# Altium PCB EnvUnitPCB.PcbDoc (part 3 of 4) (continued)
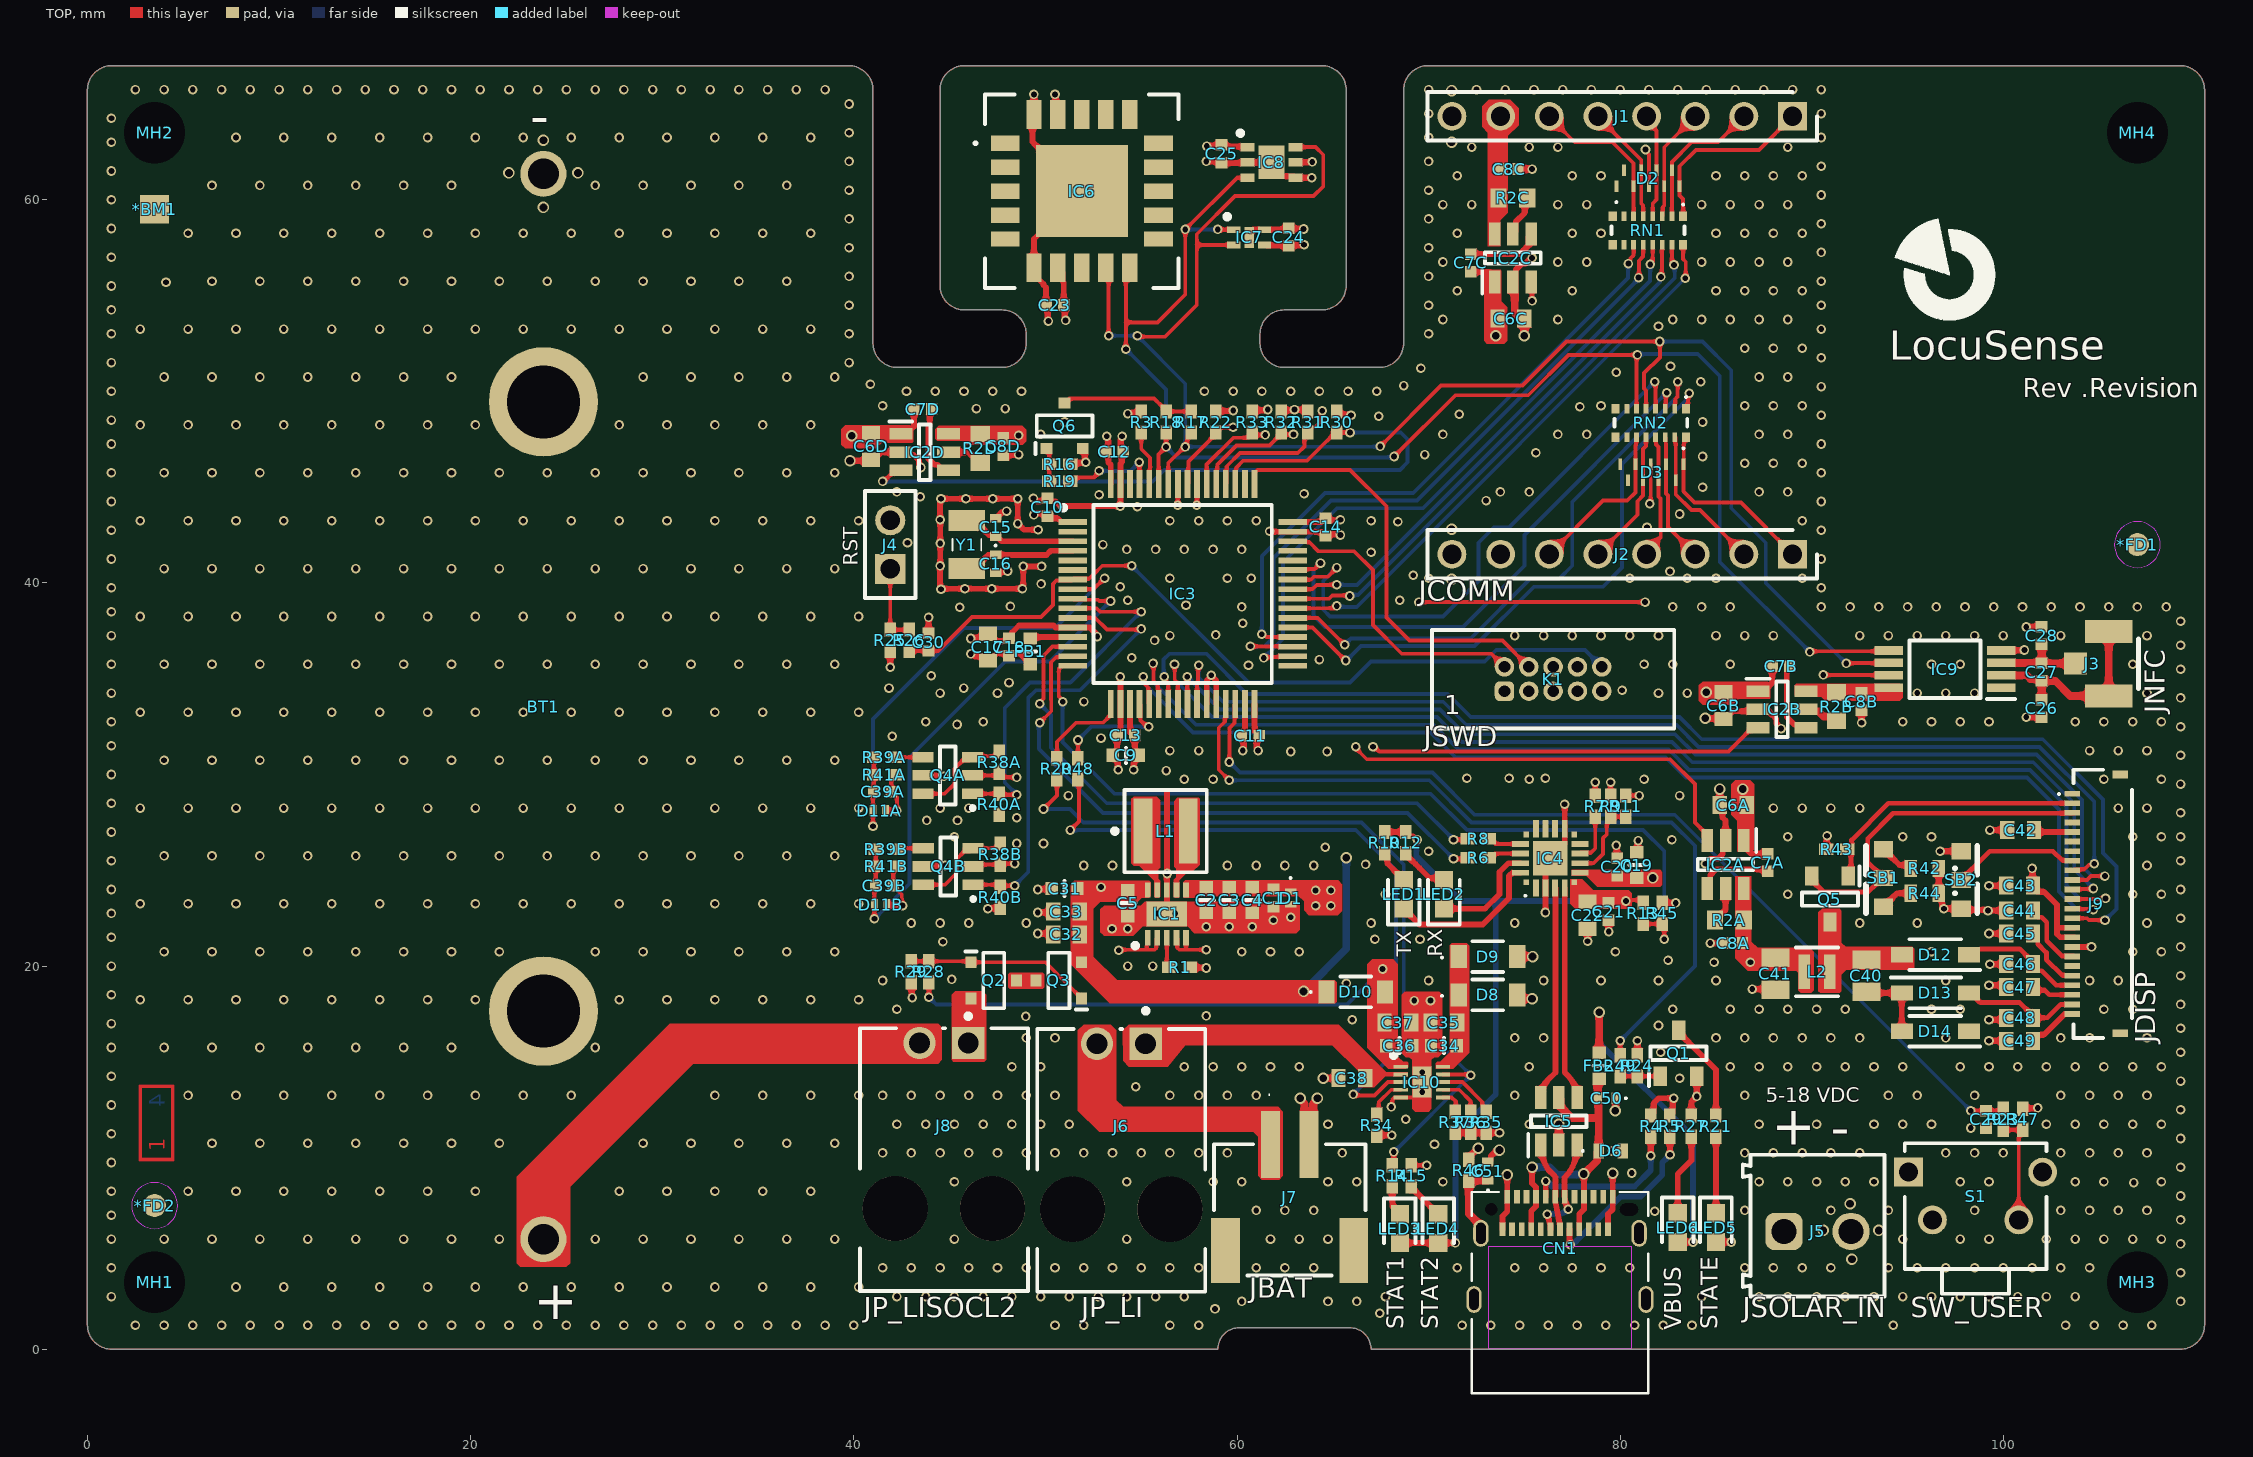
[diagram p0: TOP view]
## Nets (pads, with @x,y where several pads share a name; then routed paths per layer and width w, separated by ;. In a path a pad name is that pad's centre, name@x,y a point inside that pad or via, vN(x,y) a via of type N, cw(c..) or ccw(c..) an arc to the next point about the centre after c; other vN are vias at no path point) (continued)
  other v2: 64.2,13.1 84.434,32.943
GPO: IC3.56 IC9.7 R22.1 | length 46.1
  TOP w0.2: IC3.56@57.415,45.163 57.465,45.213 57.465,46.34 58.9,47.775 58.9,47.925 59.1,48.125 v1(59.797,48.125) ; v1(69.5,39) v1(81.3,39) ; v1(90.6,35.2) 90.612,35.188 93.999,35.188 IC9.7@94.012,35.175
  VCC w0.2: v1(59.797,48.125) 59.822,48.125 60.097,48.4 63.35,48.4 67.787,43.963 67.787,40.713 v1(69.5,39) ; v1(81.3,39) 85.1,35.2 v1(90.6,35.2)
H_CS: D2.4 J1.3 RN1.3 | length 5.9
  TOP w0.2: RN1.3@82.2,59.15 82.225,59.175 82.225,59.625 82.3,59.7 D2.4@82.3,60.7 82.3,62.74 J1.3@83.92,64.36
H_GPIO0: D2.5 J1.1 RN1.1 | length 9.8
  TOP w0.2: RN1.1@83.287,59.033 83.287,60.037 83.1,60.224 D2.5@83.1,60.7 83.1,61.55 83.1,61.75 83.95,62.6 87.24,62.6 J1.1@89,64.36
H_GPIO1: D3.1 J2.1 RN2.16 | length 9.9
  TOP w0.2: RN2.16@83.437,47.6 83.32,47.483 83.32,46.478 83.3,46.459 D3.1@83.3,46.2 83.3,44.781 83.881,44.2 86.3,44.2 J2.1@89,41.5
H_GPIO2: D3.9 J2.2 RN2.15 | length 7.8
  TOP w0.2: RN2.15@82.9,47.6 D3.9@82.9,45.35 82.9,44.616 83.716,43.8 84.16,43.8 J2.2@86.46,41.5
H_MISO: D2.8 J1.5 RN1.5 | length 6.2
  TOP w0.2: J1.5@78.825,64.345 81.1,62.07 D2.8@81.1,61.55 81.1,59.8 81.2,59.7 RN1.5@81.2,59.15
H_MOSI: D2.2 J1.6 RN1.6 | length 8.2
  TOP w0.2: J1.6@76.285,64.345 77.63,63 79.604,63 80.7,61.904 D2.2@80.7,60.7 RN1.6@80.7,59.15
H_RST: D2.6 J1.2 RN1.2 | length 7.6
  TOP w0.2: RN1.2@82.7,59.15 D2.6@82.7,61.55 82.7,61.974 83.726,63 85.1,63 J1.2@86.46,64.36
H_RX: D3.2 J2.3 RN2.14 | length 6.8
  TOP w0.2: RN2.14@82.35,47.6 82.375,47.575 82.375,47.291 82.4,47.266 D3.2@82.4,46.2 82.4,44.664 82.5,44.564 82.5,42.92 J2.3@83.92,41.5
H_SCK: D2.7 J1.4 RN1.4 | length 5.5
  TOP w0.2: J1.4@81.38,64.36 81.38,64.113 81.9,63.593 81.9,62.194 81.9,60.011 81.7,59.811 RN1.4@81.7,59.15
H_SCL: D3.7 J2.5 RN2.12 | length 7.1
  TOP w0.2: J2.5@78.84,41.5 80.9,43.56 80.9,44.263 81.2,44.563 81.2,47 81.35,47.15 RN2.12@81.35,47.6
H_SDA: D3.4 J2.6 RN2.11 | length 8.7
  TOP w0.2: J2.6@76.3,41.5 76.306,41.5 79.106,44.3 80.371,44.3 80.8,44.729 80.8,47.166 80.825,47.191 80.825,47.575 RN2.11@80.85,47.6
H_TX: D3.8 J2.4 RN2.13 | length 6.2
  TOP w0.2: J2.4@81.52,41.8 82.121,42.401 82.121,42.734 82.1,42.754 82.1,44.399 82,44.499 82,47.1 81.875,47.225 81.875,47.575 RN2.13@81.85,47.6
LED: IC3.29 R49.1 | length 42.6
  TOP w0.2: IC3.29@59.415,33.687 59.365,33.637 59.365,32.757 59.05,32.442 59.05,30.25 v1(59.6,29.7) ; R49.1@80,15.35 v1(80,16.1)
  BOT w0.2: v1(59.6,29.7) 70.034,29.7 72.234,27.5 82.684,27.5 83.9,26.284 83.9,20 v1(80,16.1)
LED_RX: IC4.19 LED2.1 | length 5.7
  TOP w0.3: LED2.1@70.8,23 72.949,23 73.7,23.751 73.7,24.906 74.169,25.375 IC4.19@74.803,25.375
LED_TX: IC4.20 LED1.1 | length 8.5
  TOP w0.3: LED1.1@68.475,23.075 68.625,23.075 69.025,22.675 69.525,22.175 72.831,22.175 74.2,23.544 74.2,24.699 74.376,24.875 IC4.20@74.803,24.875
NetC7A_1: C7A.1 IC2A.4 | length 3.9
  TOP w0.3: IC2A.4@84.55,24.05 84.7,24.2 84.7,24.676 84.7,24.745 85.005,25.05 87.59,25.05 C7A.1@87.7,24.94
NetC7B_1: C7B.1 IC2B.4 | length 3.9
  TOP w0.3: C7B.1@88.86,35.65 88.71,35.5 88.71,35.324 88.7,35.314 88.7,33 89.1,32.6 89.55,32.6 IC2B.4@89.7,32.45
NetC7C_1: C7C.1 IC2C.4 | length 3.8
  TOP w0.3: C7C.1@72.2,57.16 74.748,57.16 75.201,57.613 75.201,58.058 IC2C.4@75.351,58.208
NetC7D_1: C7D.1 IC2D.4 | length 4
  TOP w0.3: C7D.1@44.06,49.075 43.962,48.977 43.962,48.232 43.9,48.17 43.9,46.48 44.205,46.175 44.35,46.175 44.65,45.875 IC2D.4@44.95,45.875
NetC40_1: C40.1 D12.2 L2.2 Q5.3 | length 2
  TOP w0.3: C40.1@92.85,20.33 93.12,20.6 D12.2@94.7,20.6
NetC40_2: C40.2 D13.1 D14.2 | length 3.9
  TOP w0.3: C40.2@92.85,18.67 92.92,18.6 D13.1@94.7,18.6 D14.2@94.7,16.6
NetC51_1: C51.1 CN1.SH1 CN1.SH2 CN1.SH3 CN1.SH4 R46.1 | length 20.2
  TOP w0.4: CN1.SH1@72.73,6.05 72.73,6.458 72.1,7.088 R46.1@72.1,8.8 72.112,8.812 73.088,8.812 C51.1@73.1,8.825
  GND w0.4: CN1.SH1@72.73,6.05 72.73,5.642 72.37,5.282 CN1.SH3@72.37,2.6 CN1.SH4@81.35,2.6 81.35,5.316 80.99,5.676 CN1.SH2@80.99,6.05
NetCN1_A5: CN1.A5 R4.2 | length 8.5
  TOP w0.3: CN1.A5@76.11,7.96 76.11,8.772 v1(76.116,8.778) ; v1(81.6,10.1) R4.2@81.6,11.1
  BOT w0.3: v1(76.116,8.778) 76.17,8.778 76.448,8.5 80.751,8.5 81.6,9.349 v1(81.6,10.1)
NetCN1_B5: CN1.B5 R5.2 | length 9.3
  TOP w0.3: CN1.B5@77.36,6.26 77.36,5.544 77.4,5.504 v1(77.4,5.45) ; v1(82.6,10.15) R5.2@82.6,11.1
  BOT w0.3: v1(77.4,5.45) 77.454,5.45 77.554,5.55 77.605,5.55 80.03,7.975 81.075,7.975 82.2,9.1 82.2,9.75 v1(82.6,10.15)
NetIC1_3: IC1.3 R1.2 | length 1.6
  TOP w0.2: IC1.3@56.339,21.472 56.339,20.061 R1.2@56.45,19.95
NetIC1_7: IC1.7 L1.2
NetIC1_9: IC1.9 L1.1
NetIC2A_5: IC2A.5 R2A.1 | length 1.9
  TOP w0.3: R2A.1@84.95,22.4 84.95,22.475 85.225,22.75 85.3,22.75 85.5,22.95 IC2A.5@85.5,24.05
NetIC2B_5: IC2B.5 R2B.1 | length 1.8
  TOP w0.4: IC2B.5@89.7,33.4 89.8,33.3 90.35,33.3 90.625,33.025 91.075,33.025 R2B.1@91.3,32.8
NetIC2C_5: IC2C.5 R2C.1 | length 2.2
  TOP w0.3: IC2C.5@74.401,58.208 74.551,58.358 74.551,58.851 75.026,59.326 75.026,59.976 R2C.1@75.15,60.1
NetIC2D_5: IC2D.5 R2D.1 | length 1.9
  TOP w0.3: IC2D.5@44.95,46.825 46,46.825 46.25,46.575 46.25,46.55 46.525,46.275 R2D.1@46.6,46.275
NetIC3_17: IC3.17 R20.2 | length 4.8
  TOP w0.2: R20.2@50.6,30.85 50.608,30.858 50.608,31.708 51.6,32.7 53,32.7 53.349,33.049 53.365,33.049 53.415,33.099 IC3.17@53.415,33.687
NetIC3_20: IC3.20 R48.2 | length 6.4
  TOP w0.2: R48.2@51.7,30.85 v1(51.7,31.8) ; IC3.20@54.915,33.687 54.965,33.637 54.965,32.825 55.233,32.557 55.33,32.557 v1(55.388,32.499) v1@55.399,32.499
  BOT w0.2: v1(51.7,31.8) 52.399,32.499 v1(55.388,32.499)
NetIC3_60: IC3.60 R3.2 | length 2.9
  TOP w0.2: R3.2@55,47.85 55,47 55.465,46.535 55.465,45.213 IC3.60@55.415,45.163
NetIC3_61: IC3.61 R19.2 | length 5.2
  TOP w0.2: R19.2@51.3,45.3 51.5,45.5 52.533,45.5 52.533,45.502 52.8,45.769 v1(52.8,45.85) ; v1(54.9,46.3) 54.907,46.293 54.907,45.17 IC3.61@54.915,45.163
  BOT w0.2: v1(52.8,45.85) 54.45,45.85 v1(54.9,46.3)
NetIC4_8: IC4.8 R9.2 R11.2 | length 4.3
  TOP w0.2: IC4.8@77.903,25.375 77.911,25.367 78.614,25.367 79.1,25.853 79.1,26.678 79.3,26.878 79.3,27.6 R9.2@79.5,27.8 R11.2@80.3,27.8
NetIC4_9: IC4.9 R7.1 | length 2.6
  TOP w0.2: IC4.9@77.903,25.875 77.953,25.925 78.478,25.925 78.7,26.147 R7.1@78.7,27.8
NetIC4_17: IC4.17 R8.2 | length 1.8
  TOP w0.2: R8.2@73.15,26.65 73.225,26.65 73.5,26.375 IC4.17@74.803,26.375
NetIC4_18: IC4.18 R6.2 | length 1.7
  TOP w0.2: R6.2@73.15,25.65 73.225,25.65 73.45,25.875 IC4.18@74.803,25.875
NetIC10_4: IC10.4 R34.1 | length 2.1
  TOP w0.2: R34.1@67.4,12.2 67.4,12.899 68.051,13.55 IC10.4@68.55,13.55
NetIC10_6: IC10.6 R37.1 | length 1.3
  TOP w0.2: IC10.6@70.75,13.15 71.2,13.15 71.425,12.925 71.425,12.475 R37.1@71.5,12.4
NetIC10_7: IC10.7 R36.2 | length 2.3
  TOP w0.2: IC10.7@70.75,13.55 71.599,13.55 72.191,12.958 72.191,12.509 R36.2@72.3,12.4
NetIC10_8: IC10.8 R35.1 | length 3
  TOP w0.2: IC10.8@70.75,13.95 71.765,13.95 72.8,12.915 72.8,12.675 72.987,12.488 R35.1@73.025,12.488
NetJ4_1: J4.1 R25.2 R26.2 | length 4.2
  TOP w0.2: J4.1@41.9,40.73 R25.2@41.9,37.55 R26.2@42.9,37.55
NetLED1_2: LED1.2 R10.2 | length 1.8
  TOP w0.3: R10.2@67.7,25.9 67.85,25.75 67.85,25.35 LED1.2@68.7,24.5
NetLED2_2: LED2.2 R12.2 | length 2.6
  TOP w0.3: R12.2@68.8,25.9 68.8,25.825 68.95,25.675 68.969,25.675 69.319,25.325 69.525,25.12 ; 69.525,25.119 70.051,24.594 70.706,24.594 LED2.2@70.8,24.5
NetLED3_1: LED3.1 R14.1 | length 1.6
  TOP w0.3: R14.1@68.1,8.5 68.1,7.45 LED3.1@68.5,7.05
NetLED4_1: LED4.1 R15.1 | length 2
  TOP w0.3: R15.1@69.1,8.5 69.1,8.425 69.25,8.275 69.275,8.275 70.175,7.375 70.45,7.1 LED4.1@70.5,7.1
NetLED5_1: LED5.1 R21.1 | length 4.2
  TOP w0.3: LED5.1@85,7.1 85,11.024 85.076,11.1 R21.1@85.076,11.251
NetLED6_1: LED6.1 R27.1 | length 4.3
  TOP w0.3: LED6.1@83,7.05 83,9.15 83.717,9.867 R27.1@83.717,11.1
NetQ1_1: Q1.1 R24.2 R49.2 | length 2.1
  TOP w0.2: R49.2@80,14.25 R24.2@80.9,14.25 Q1.1@82.1,14.25
NetQ1_3: Q1.3 R21.2 | length 5.3
  TOP w0.3: Q1.3@83.05,16.65 83.05,16.5 83.25,16.3 83.295,16.3 85,14.595 R21.2@85,12.2
NetQ2_1: Q2.1 Q3.1 R28.2 R29.2 | length 9.7
  TOP w0.2: R29.2@42.999,20.251 43.918,20.251 R28.2@43.919,20.25 46.067,20.25 Q2.1@46.117,20.2 50.01,20.2 51.888,18.323 Q3.1@51.888,18.3
NetQ2_3: Q2.3 Q3.3
NetQ4A_3: Q4A.3 Q4A.6 R38A.1 | length 5
  TOP w0.2: Q4A.6@43.6,29 44.736,29 45.25,29.514 45.25,30.3 45.675,30.725 46.025,30.725 Q4A.3@46.2,30.9 ; Q4A.3@46.3,30.95 R38A.1@47.5,30.95
NetQ4A_4: Q4A.4 R39A.1 | length 1.4
  TOP w0.2: R39A.1@42.15,30.9 Q4A.4@43.6,30.9
NetQ4B_3: Q4B.3 Q4B.6 R38B.1 | length 5.4
  TOP w0.2: Q4B.6@43.625,24.25 44.75,24.25 45.375,24.875 45.375,25.599 45.751,25.975 46.05,25.975 Q4B.3@46.225,26.15 47.45,26.15 47.65,26.35 R38B.1@47.65,26.4
NetQ4B_4: Q4B.4 R39B.1 | length 1.4
  TOP w0.2: R39B.1@42.25,26.1 42.3,26.15 Q4B.4@43.625,26.15
NetQ6_1: Q6.1 R16.2 R19.1 | length 1.8
  TOP w0.2: Q6.1@50.05,47.012 50.2,46.862 R16.2@50.2,46.2 R19.1@50.2,45.3
NetQ6_3: Q6.3 R17.2 R18.2 | length 7.1
  TOP w0.2: Q6.3@51,49.388 51.022,49.388 51.259,49.625 55.675,49.625 56.075,49.225 56.1,49.225 56.3,49.025 R18.2@56.3,48.95 R17.2@57.6,48.95 R17.2@57.6,49.025
NetR23_2: R23.2 R47.1 S1.3 | length 5.8
  TOP w0.2: R23.2@100,11.45 R47.1@101,11.45 101,11.375 100.8,11.175 S1.3@100.8,6.75
NetR42_2: R42.2 SB1.2 | length 1.9
  TOP w0.3: SB1.2@93.75,26.1 93.825,26.1 94.1,25.825 94.1,25.75 94.576,25.274 95.026,25.274 R42.2@95.175,25.125
NetR44_2: R44.2 SB1.3 | length 1.8
  TOP w0.3: SB1.3@93.75,23.1 93.825,23.1 94.1,23.375 94.1,23.45 94.45,23.8 R44.2@95.175,23.8
NFC_AC0: C26.2 C27.1 IC9.2 J3.1 J3.2 | length 10.4
  TOP w0.4: IC9.2@99.888,35.175 101.225,35.175 101.41,34.99 101.9,34.99 C27.1@102,34.89 ; C26.2@102,33.91 C27.1@102,34.89 ; J3.1@105.5,37.47 J3.2@105.5,34.1 103.5,34.1 102.71,34.89 C27.1@102,34.89
NFC_AC1: C27.2 C28.1 IC9.3 J3.3 | length 4.9
  TOP w0.4: IC9.3@99.888,35.825 99.895,35.818 101.992,35.818 C27.2@102,35.81 ; C28.1@102,36.79 C27.2@102,35.81 ; J3.3@103.77,35.785 103.758,35.798 102.012,35.798 C27.2@102,35.81
OSC32_IN: C15.1 IC3.3 Y1.2 | length 5.6
  TOP w0.3: Y1.2@46.3,43.25 47.05,42.5 47.34,42.5 C15.1@47.4,42.44 ; C15.1@47.4,42.425 47.475,42.425 47.725,42.175 IC3.3@51.427,42.175
OSC32_OUT: C16.1 IC3.4 Y1.1 | length 5.5
  TOP w0.3: Y1.1@46.3,40.75 47.01,41.46 47.56,41.46 50.06,41.46 50.275,41.675 IC3.4@51.427,41.675
P3V3: C21.2 C22.1 IC4.6 LED3.2 LED4.2 R7.2 R10.1 R12.1 R13.2 | length 45.8
  TOP w0.2: R7.2@78.7,28.9 v1(78.7,29.6) ; C21.2@79.4,23.31 79.49,23.4 v1(80.3,23.4) 80.35,23.45 81.05,23.45 R13.2@81.2,23.3
  TOP w0.3: R10.1@67.7,27 R12.1@68.8,27 68.8,26.925 68.95,26.775 69.182,26.775 69.351,26.606 v1(69.405,26.606) ; LED3.2@68.5,5.55 LED4.2@70.5,5.55 v1(71.4,5.55)
  VCC w0.2: v1(78.7,29.6) 80.35,27.95 80.35,23.45 v1(80.3,23.4)
  BOT w0.3: v1(69.405,26.606) 69.367,26.567 69.367,26.045 69.361,26.039 69.361,25.739 71.7,23.4 73.5,23.4 ; v1(71.4,5.55) 71.4,11.2 73.5,13.3 73.5,23.4 ; v1(80.3,23.4) 73.5,23.4
PS1: IC2D.3 IC3.51 R30.2 | length 41
  TOP w0.2: v1(41.5,45.3) 41.575,45.3 42.15,45.875 IC2D.3@42.45,45.875 ; IC3.51@59.915,45.163 59.965,45.213 59.965,46.025 60.315,46.375 63.65,46.375 65.1,47.825 65.1,47.9 R30.2@65.15,47.85 ; R30.2@65.2,47.85 v1(65.9,47.85)
  BOT w0.2: v1(41.5,45.3) 55.6,45.3 56.2,45.9 68.5,45.9 68.9,46.3 68.9,47.5 68.55,47.85 v1(65.9,47.85)
PS2: IC2C.3 IC3.52 R31.2 | length 21.9
  TOP w0.2: IC3.52@59.415,45.163 59.465,45.213 59.465,46.09 60.15,46.775 63.171,46.775 63.518,47.122 63.518,47.756 R31.2@63.531,47.769 ; R31.2@63.7,47.9 63.7,47.925 63.9,48.125 64.075,48.125 64.393,48.443 64.393,48.935 v1(64.45,48.993) ; IC2C.3@75.351,55.708 75.4,55.659 v1(75.4,54.719)
  VCC w0.2: v1(64.45,48.993) 64.757,49.3 68.5,49.3 73.919,54.719 v1(75.4,54.719)
PS3: IC2B.3 IC3.53 R32.2 | length 44.8
  TOP w0.2: IC3.53@58.915,45.163 58.965,45.213 58.965,46.165 59.975,47.175 61.7,47.175 R32.2@62.3,47.775 ; R32.2@62.3,47.85 R32.2@62.3,47.775 ; v1(62.95,47.75) 62.325,47.75 R32.2@62.3,47.775 ; v1(67.1,31.45) 67.181,31.45 67.431,31.2 85.65,31.2 86.7,32.25 86.788,32.338 IC2B.3@87.588,32.338
  VCC w0.2: v1(62.95,47.75) 62.95,35.6 v1(67.1,31.45)
PS4: IC2A.3 IC3.54 R33.2 | length 45
  TOP w0.2: IC3.54@58.415,45.163 58.415,46.181 59.809,47.575 60.6,47.575 60.976,47.951 60.976,47.75 61,47.726 v1(61.474,47.726) ; v1(66.2,31.45) 66.2,31.372 66.772,30.8 82.6,30.8 83.9,29.5 83.9,27.5 84.35,27.05 84.35,26.75 IC2A.3@84.55,26.55
  VCC w0.2: v1(61.474,47.726) 62.5,46.7 62.5,35.15 v1(66.2,31.45)
RESE: J9.3 Q5.2 SB1.1 | length 18.2
  TOP w0.25: Q5.2@90,24.7 90.225,24.475 90.225,24.262 90.612,23.875 92.95,23.875 93.675,24.6 SB1.1@93.75,24.6 92.925,25.425 92.925,26.66 94.24,27.975 103.302,27.975 103.675,27.975 J9.3@103.7,28
RF_CS: IC3.41 RN1.14 | length 27.8
  TOP w0.2: IC3.41@62.903,39.675 63.94,39.675 64.166,39.9 v1(65.2,39.9) ; v1(82.128,55.972) 82.175,56.018 82.175,57.625 RN1.14@82.2,57.65
  BOT w0.2: v1(65.2,39.9) 66.269,39.9 82.071,55.702 82.071,55.914 v1(82.128,55.972)
RF_GPIO0: IC3.39 RN1.16 | length 29.5
  TOP w0.2: IC3.39@62.903,38.675 64.994,38.675 65.119,38.8 v1(65.2,38.8) ; RN1.16@83.287,57.65 83.287,56.9 83.425,56.762 83.425,55.925 v1(83.4,55.9)
  BOT w0.2: v1(65.2,38.8) 65.25,38.75 66.25,38.75 v1(83.4,55.9)
RF_GPIO1: IC3.37 RN2.1 | length 31.3
  TOP w0.2: IC3.37@62.903,37.675 63.94,37.674 65.661,35.953 v1(65.675,35.953) ; RN2.1@83.437,49.1 83.543,49.206 83.543,49.843 v1(83.6,49.9)
  BOT w0.2: v1(65.675,35.953) 65.718,35.953 66.465,36.7 72.4,36.7 75.5,39.8 79.1,39.8 80.1,40.8 80.1,46.2 83.543,49.643 83.543,49.843 v1(83.6,49.9)
RF_GPIO2: IC3.38 RN2.2 | length 30.2
  TOP w0.2: IC3.38@62.903,38.175 64.217,38.175 v1(65.62,36.772) ; RN2.2@82.85,49.1 82.85,49.225 82.875,49.25 82.875,49.599 83,49.724 v1(83,50.5)
  BOT w0.2: v1(65.62,36.772) 65.948,37.1 72.2,37.1 75.3,40.2 76.8,40.2 77.5,40.9 77.5,44.224 83,49.724 v1(83,50.5)
RF_MISO: IC3.35 RN1.12 | length 34.8
  TOP w0.2: v1(60.7,36.7) 60.713,36.687 62.89,36.687 IC3.35@62.903,36.675 ; v1(80.963,55.937) 80.982,55.957 80.982,56.816 81.2,57.034 RN1.12@81.2,57.65
  BOT w0.2: v1(60.7,36.7) 60.73,36.67 61.417,36.67 61.9,37.153 61.9,41.3 64.9,44.3 69.4,44.3 80.963,55.863 v1(80.963,55.937)
RF_MOSI: IC3.36 RN1.11 | length 32.7
  TOP w0.2: v1(61.297,37.328) 61.378,37.328 61.531,37.175 IC3.36@62.903,37.175 ; v1(80.432,56.67) 80.432,56.751 80.547,56.866 80.547,56.947 80.7,57.1 RN1.11@80.7,57.65
  BOT w0.2: v1(61.297,37.328) 61.297,41.397 64.6,44.7 69.2,44.7 80.413,55.913 80.413,56.651 v1(80.432,56.67)
RF_RTS: IC3.40 RN1.15 | length 28.7
  TOP w0.2: IC3.40@62.903,39.175 64.797,39.175 64.972,39.35 65.85,39.35 v1(65.881,39.319) ; RN1.15@82.7,57.65 82.7,56.79 82.809,56.681 v1(82.809,56.6)
  BOT w0.2: v1(65.881,39.319) 65.938,39.377 66.311,39.377 82.85,55.916 82.85,56.559 v1(82.809,56.6)
RF_RX: IC3.43 RN2.3 | length 30
  TOP w0.2: IC3.43@62.903,40.675 62.953,40.725 64.047,40.725 v1(64.359,41.036) ; RN2.3@82.35,49.1 82.375,49.125 82.375,49.877 v1(82.426,49.928)
  BOT w0.2: v1(64.359,41.036) 64,40.678 64,38.3 64.6,37.7 71.8,37.7 75,40.9 75,42.502 v1(82.426,49.928)
RF_SCK: IC3.34 RN1.13 | length 34.1
  TOP w0.2: v1(61.4,36.087) 61.444,36.131 62.859,36.131 IC3.34@62.903,36.175 ; v1(81.572,56.624) 81.572,56.705 81.7,56.834 81.7,57.646 RN1.13@81.704,57.65
  BOT w0.2: v1(61.4,36.087) 62.4,37.087 62.4,41.078 65.222,43.9 69.703,43.9 81.565,55.762 81.565,56.618 v1(81.572,56.624)
RF_TX: IC3.42 RN2.4 | length 30.2
  TOP w0.2: IC3.42@62.903,40.175 63.875,40.175 64.025,40.325 64.748,40.325 65.2,40.777 v1(65.2,40.8) ; v1(81.8,50.5) 81.85,50.45 RN2.4@81.85,49.1
  BOT w0.2: v1(65.2,40.8) 64.5,40.1 64.5,38.6 64.85,38.25 70.75,38.25 72.6,40.1 72.6,42.1 73.4,42.9 74.2,42.9 v1(81.8,50.5)
RST: C30.2 IC3.7 K1.10 R26.1 | length 42.2
  TOP w0.2: R26.1@42.9,36.45 C30.2@43.9,36.45 44.4,36.45 46.175,38.225 49.775,38.225 50.389,38.839 50.389,39.949 50.565,40.125 50.672,40.125 51.377,40.125 51.477,40.225 52.289,40.225 52.505,40.441 52.964,40.9 v1(54.5,40.9)
  BOT w0.2: v1(54.5,40.9) 60.6,34.8 65.9,34.8 67,35.9 72.933,35.9 73.533,36.5 78.16,36.5 K1.10@79.04,35.62
SCL: IC3.58 IC6.9 IC7.2 IC8.6 IC9.6 R17.1 RN2.5 | length 90.7
  TOP w0.2: IC6.9@53,56.3 53.3,56 v1(53.3,52.9) ; v1(54.8,52.9) 54.85,52.85 56.25,52.85 57.9,54.5 57.9,57.641 ; IC3.58@56.415,45.163 56.415,46.265 57.25,47.1 v1(57.3,47.1) 57.3,47.181 57.4,47.281 57.4,47.65 R17.1@57.6,47.85 ; IC7.2@59.837,57.641 57.9,57.641 ; IC8.6@63.05,62.75 64.1,62.75 64.5,62.35 64.5,60.7 64,60.2 59.9,60.2 57.9,58.2 57.9,57.641 ; v1(67.475,47.125) 70.65,50.3 74.9,50.3 77.2,52.6 v1(82.072,52.6) 82.072,51.772 81.25,50.95 81.25,50.15 81.35,50.05 RN2.5@81.35,49.1 ; v1(91.8,35.8) 91.813,35.813 93.999,35.813 IC9.6@94.012,35.825
  BOT w0.2: v1(53.3,52.9) v1(54.8,52.9) 57.3,50.4 v1(57.3,47.1) 57.312,47.112 67.462,47.112 v1(67.475,47.125) ; v1(82.072,52.6) 84.3,52.6 85.8,51.1 85.8,43.9 87.6,42.1 87.6,40 v1(91.8,35.8)
SDA: IC3.59 IC6.10 IC7.1 IC8.3 IC9.5 R18.1 RN2.6 | length 82.7
  TOP w0.2: v1(54.2,52.2) 54.2,53.6 ; IC6.10@54.2,56.95 54.2,53.6 ; IC3.59@55.915,45.163 55.907,45.17 55.907,46.707 v1(56.3,47.1) R18.1@56.3,47.85 ; v1(59,58.45) 59.004,58.446 59.833,58.446 IC7.1@59.837,58.441 ; IC8.3@60.55,61.15 60.542,61.142 59.992,61.142 v1(57.3,58.45) 57.3,55.05 55.85,53.6 54.2,53.6 ; v1(68.2,46.6) 71.4,49.8 75.2,49.8 77.3,51.9 v1(80.9,51.9) 80.85,51.85 RN2.6@80.85,49.1 ; v1(89.9,36.4) 89.938,36.438 93.974,36.438 IC9.5@94.012,36.475
  BOT w0.2: v1(54.2,52.2) 56.3,50.1 v1(56.3,47.1) 56.85,46.55 68.15,46.55 v1(68.2,46.6) ; v1(57.3,58.45) v1(59,58.45) ; v1(80.9,51.9) 80.95,51.95 84.05,51.95 85.2,50.8 85.2,41.1 v1(89.9,36.4)
SOLAR_IN: D8.2 J5.1 | length 19
  TOP w0.4: D8.2@74.625,18.3 v2(75.4,18.3)
  VCC w0.4: v2(75.4,18.3) 76.4,18.3 J5.1@88.55,6.15
STAT1: IC10.9 R14.2 R20.1 | length 42.2
  TOP w0.2: v1(49.9,28.2) 50.6,28.9 R20.1@50.6,29.75 ; R14.2@68.1,9.6 68.181,9.681 v1(68.181,10.3) ; IC10.9@70.75,14.35 72.15,14.35 v1(72.2,14.3)
  BOT w0.2: v1(49.9,28.2) 51.278,28.2 51.978,27.5 66.5,27.5 68.7,25.3 68.7,17.8 v1(72.2,14.3) ; v1(68.181,10.3) 68.2,10.302 v1@72.198,14.3
STAT2: IC10.3 R15.2 R48.1 | length 43.3
  TOP w0.2: v1(51.3,27.1) 51.75,27.55 51.75,29.7 R48.1@51.7,29.75 ; v1(66.069,13.305) 66.127,13.247 67.172,13.247 67.874,13.95 67.885,13.95 IC10.3@68.55,13.95 ; R15.2@69.1,9.6 v1(69.9,9.6)
  VCC w0.2: v1(66.069,13.305) 66.069,11.553 68.022,9.6 v1(69.9,9.6)
  BOT w0.2: v1(51.3,27.1) 66.2,27.1 68.3,25 68.3,15.536 v1(66.069,13.305)
SWDCLK: IC3.49 K1.4 | length 22.6
  TOP w0.2: IC3.49@60.915,45.163 60.915,45.75 61.065,45.9 65.9,45.9 67.8,44 67.8,38.2 69,37 73.85,37 K1.4@75.23,35.62
SWDIO: IC3.46 K1.2 | length 15.5
  TOP w0.2: IC3.46@62.903,42.175 62.948,42.13 63.77,42.13 64.25,41.65 66.117,41.65 67.1,40.667 67.1,37.8 68.6,36.3 73.28,36.3 K1.2@73.96,35.62
USB1_N: CN1.A7 CN1.B7 IC5.3 | length 5.5
  TOP w0.3: v1(76.2,7.05) 76.36,6.46 CN1.B7@76.36,6.26 ; v1(77.287,7.306) 77.11,7.76 CN1.A7@77.11,7.96 cw(c77.139,7.986) 77.1,7.986 77.1,8.954 77.269,9.143 ccw(c75.531,10.523) IC5.3@77.746,10.65
  BOT w0.3: v1(76.2,7.05) 76.67,7.05 ccw(c76.67,7.922) v1(77.287,7.306)
USB1_P: CN1.A6 CN1.B6 IC5.1 | length 4.6
  TOP w0.3: IC5.1@75.85,10.65 75.896,10.2 ccw(c78.092,10.65) 76.198,9.45 ccw(c78.092,10.65) 76.251,9.371 76.541,9.08 76.62,8.974 76.62,7.989 cw(c76.581,7.989) 76.61,7.963 CN1.A6@76.608,7.962 ; CN1.A6@76.61,7.96 76.61,7.76 76.86,6.46 CN1.B6@76.86,6.26
USB2_N: IC4.5 IC5.4 | length 11.1
  TOP w0.3: IC4.5@77.103,24.075 77.103,14.453 77.286,14.271 cw(c76.165,13.15) IC5.4@77.75,13.15
USB2_P: IC4.4 IC5.6 | length 11.2
  TOP w0.3: IC5.6@75.85,13.15 cw(c77.128,13.15) 76.224,14.054 76.62,14.45 IC4.4@76.62,24.058
USB_ON: IC3.16 R13.1 R45.2 | length 44.9
  TOP w0.2: v1(50.9,33.8) 50.9,33.867 50.7,34.067 50.7,35.535 50.839,35.675 IC3.16@51.427,35.675 ; R13.1@81.2,22.2 R45.2@82.2,22.2 82.3,22.1 v1(82.3,21.4)
  BOT w0.2: v1(50.9,33.8) 50.9,31.7 53.6,29 70.1,29 72,27.1 81.2,27.1 82.3,26 v1(82.3,21.4)
VBAT_LI: C38.1 IC10.2 J6.1
VBAT_LI_IN: J6.2 J7.1 Q4A.2 R38A.2 | length 18.5
  TOP w0.2: Q4A.2@46.2,29.95 47.45,29.95 R38A.2@47.6,30.1 47.6,30.05 47.8,29.85 v1(48.5,29.85)
  VCC w0.2: v1(48.5,29.85) 49.15,29.85 50.75,28.25 50.75,17.89 J6.2@52.69,15.95
VBAT_SO: J8.1 Q2.2
VBAT_SO_IN: BT1.MH1 J8.2 Q4B.2 R38B.2 | length 13.6
  TOP w0.2: Q4B.2@46.225,25.2 46.325,25.3 R38B.2@47.65,25.3 47.7,25.35 v1(48.4,25.35)
  VCC w0.2: J8.2@43.66,15.95 47.8,20.09 47.8,24.75 v1(48.4,25.35)
VBUS: C50.2 CN1.A4 CN1.A9 CN1.B4 CN1.B9 D6.1 FB2.1 IC5.5 | length 17.4
  TOP w0.3: CN1.B9@75.36,6.26 75.36,7.215 75.61,7.465 75.61,7.489 CN1.A4@75.61,7.96 75.61,8.435 75.61,8.455 75.4,8.665 v2(75.4,9.5) ; CN1.B4@77.86,6.26 77.86,7.06 78.11,7.31 CN1.A9@78.11,7.96 78.11,9.04 78.1,9.05 v2(78.1,9.15)
  TOP w0.4: IC5.5@76.8,13.15 76.9,13.05 76.9,12.65 77.475,12.075 78.875,12.075 78.875,11.841 D6.1@78.875,10.35 78.8,10.275 78.8,9.85 v2(78.1,9.15) ; 78.867,12.075 78.867,12.816 78.85,12.833 78.85,13.075 C50.2@78.825,13.1 78.825,14.05 FB2.1@78.9,14.125
  BOT w0.4: v2(75.4,9.5) 76.313,9.5 76.701,9.112 78.062,9.112 v2(78.1,9.15)
VCCD: C36.1 C37.1 D10.2 IC10.1 R28.1 | length 25.5
  TOP w0.2: v1(43.919,18.381) R28.1@43.919,19.15
  BOT w0.2: v1@43.824,18.476 44.3,18 65.75,18 v1(67.6,19.85)
VCOM: C49.1 J9.24 | length 2.8
  TOP w0.3: C49.1@101.55,16.1 101.55,16.195 101.775,16.42 102.12,16.42 103.2,17.5 J9.24@103.7,17.5
VDC: C34.1 C35.1 D8.1 D9.1 IC10.10
VDD: C44.1 J9.18 | length 3.8
  TOP w0.25: C44.1@101.55,22.9 101.55,22.805 101.803,22.552 102.003,22.552 102.271,22.284 102.271,21.32 102.875,20.716 ; 102.875,20.715 103.065,20.525 103.675,20.525 J9.18@103.7,20.5
VDDA: FB1.2 IC3.13 | length 2.3
  TOP w0.3: FB1.2@49.2,37.1 49.275,37.175 IC3.13@51.427,37.175
VGH: C46.1 D12.1 J9.21 | length 6.5
  TOP w0.25: D12.1@98.2,20.6 98.475,20.875 98.771,20.875 98.796,20.9 100.845,20.9 101.55,20.195 C46.1@101.55,20.1 101.55,20.005 101.8,19.755 102,19.755 102.755,19 J9.21@103.7,19
VGL: C48.1 D13.2 J9.23 | length 6.4
  TOP w0.25: D13.2@98.2,18.6 98.375,18.6 98.65,18.325 98.65,18.241 98.796,18.095 100.85,18.095 101.55,17.395 C48.1@101.55,17.3 102.3,17.3 103,18 J9.23@103.7,18
VIN: C5.1 C31.1 C32.1 C33.1 D10.1 IC1.1 IC1.2 IC1.10 J2.7 Q3.2 | length 34.4
  TOP w0.2: v1(53.822,20.825) 53.847,20.85 55.207,20.85 ; IC1.1@55.339,21.472 55.289,21.422 55.289,20.932 55.207,20.85 ; IC1.2@55.839,21.472 55.789,21.422 55.789,20.948 55.691,20.85 55.289,20.85 55.207,20.85
  VCC w0.2: v1(52.9,24.125) 52.925,24.1 52.925,21.722 v1(53.822,20.825)
  VCC w0.4: v2(65.701,25.65) 72.51,32.459 72.51,40.41 J2.7@73.9,41.8
  BOT w0.4: v2(63.475,18.675) 65.701,20.901 v2(65.701,25.65)
VSH: C45.1 J9.20 | length 3.4
  TOP w0.25: C45.1@101.55,21.7 101.8,21.45 101.8,21.155 102.25,20.705 102.25,20.34 103.065,19.525 J9.20@103.675,19.525
VSH2: C42.1 J9.5 | length 2.1
  TOP w0.3: C42.1@101.6,27.1 101.7,27 J9.5@103.7,27
VSL: C47.1 J9.22 | length 2.3
  TOP w0.25: C47.1@101.55,18.9 101.704,18.746 102.154,18.746 102.4,18.5 J9.22@103.7,18.5
pads on no net: *FD1. *FD1.0 *FD2. *FD2.0 BT1.1 BT1.2 CN1.0 CN1.A2 CN1.A3 CN1.A8 CN1.A10 CN1.A11 CN1.B2 CN1.B3 CN1.B8 CN1.B10 CN1.B11 D2.1 D2.9 D3.5 D3.6 IC3.2 IC3.5 IC3.6 IC3.33 IC3.44 IC3.45 IC3.50 IC3.62 IC4.1 IC4.2 IC4.10 IC4.11 IC4.13 IC4.14 IC4.15 IC4.16 IC6.1 IC6.2 IC6.3 IC6.4 IC6.5 IC6.8 IC6.11 IC6.12 IC6.13 IC6.14 IC6.15 IC6.16 IC6.17 IC6.18 IC9.1 J6. J7.3 J7.4 J8. J9.1 J9.4 J9.6 J9.7 J9.19 K1.6 K1.7 K1.8 MH1. MH2. MH3. MH4. RN1.7 RN1.8 RN1.9 RN1.10 RN2.7 RN2.8 RN2.9 RN2.10
copper on no net: | length 44.2
  TOP w0.2: 2.75,9.9 4.45,9.9 4.45,13.729 2.75,13.729 2.75,9.9
  GND w0.2: 2.75,9.9 4.45,9.9 4.45,13.729 2.75,13.729 2.75,9.9
  VCC w0.2: 2.75,9.9 2.75,13.729 4.45,13.729 4.45,9.9 2.75,9.9
  BOT w0.2: 2.75,9.9 2.75,13.729 4.45,13.729 4.45,9.9 2.75,9.9

## Polygon pours and split planes (outlines as drawn)
3V3 on VCC "NONET_L01_P-001" (solid, remove dead copper, shelved, pour order 2): 0,1.27 0,65.73 cw(c1.27,65.73) 1.27,67 39.73,67 cw(c39.73,65.73) 41,65.73 41,52.52 ccw(c42.27,52.52) 42.27,51.25 47.73,51.25 ccw(c47.73,52.52) 49,52.52 49,52.98 ccw(c47.73,52.98) 47.73,54.25 45.77,54.25 cw(c45.77,55.52) 44.5,55.52 44.5,65.73 cw(c45.77,65.73) 45.77,67 64.43,67 cw(c64.43,65.73) 65.7,65.73 65.7,55.52 cw(c64.43,55.52) 64.43,54.25 62.47,54.25 ccw(c62.47,52.98) 61.2,52.98 61.2,52.52 ccw(c62.47,52.52) 62.47,51.25 67.43,51.25 ccw(c67.43,52.52) 68.7,52.52 68.7,65.73 cw(c69.97,65.73) 69.97,67 108,67 109.23,67 cw(c109.23,65.73) 110.5,65.73 110.5,1.27 cw(c109.23,1.27) 109.23,0 67,0 ccw(c65.879,0) 65.879,1.121 60.121,1.121 ccw(c60.121,0) 59,0 1.27,0 cw(c1.27,1.27)
GND on TOP "NONET_L01_P-001" (solid, remove dead copper, shelved, pour order 3): 0,1.27 0,65.73 cw(c1.27,65.73) 1.27,67 39.73,67 cw(c39.73,65.73) 41,65.73 41,52.52 ccw(c42.27,52.52) 42.27,51.25 47.73,51.25 ccw(c47.73,52.52) 49,52.52 49,52.98 ccw(c47.73,52.98) 47.73,54.25 45.77,54.25 cw(c45.77,55.52) 44.5,55.52 44.5,65.73 cw(c45.77,65.73) 45.77,67 64.43,67 cw(c64.43,65.73) 65.7,65.73 65.7,55.52 cw(c64.43,55.52) 64.43,54.25 62.47,54.25 ccw(c62.47,52.98) 61.2,52.98 61.2,52.52 ccw(c62.47,52.52) 62.47,51.25 67.43,51.25 ccw(c67.43,52.52) 68.7,52.52 68.7,65.73 cw(c69.97,65.73) 69.97,67 108,67 109.23,67 cw(c109.23,65.73) 110.5,65.73 110.5,1.27 cw(c109.23,1.27) 109.23,0 67,0 ccw(c65.879,0) 65.879,1.121 60.121,1.121 ccw(c60.121,0) 59,0 1.27,0 cw(c1.27,1.27)
GND on BOT "NONET_L01_P-001" (solid, remove dead copper, shelved, pour order 1): 0,1.27 0,65.73 cw(c1.27,65.73) 1.27,67 39.73,67 cw(c39.73,65.73) 41,65.73 41,52.52 ccw(c42.27,52.52) 42.27,51.25 47.73,51.25 ccw(c47.73,52.52) 49,52.52 49,52.98 ccw(c47.73,52.98) 47.73,54.25 45.77,54.25 cw(c45.77,55.52) 44.5,55.52 44.5,65.73 cw(c45.77,65.73) 45.77,67 64.43,67 cw(c64.43,65.73) 65.7,65.73 65.7,55.52 cw(c64.43,55.52) 64.43,54.25 62.47,54.25 ccw(c62.47,52.98) 61.2,52.98 61.2,52.52 ccw(c62.47,52.52) 62.47,51.25 67.43,51.25 ccw(c67.43,52.52) 68.7,52.52 68.7,65.73 cw(c69.97,65.73) 69.97,67 108,67 109.23,67 cw(c109.23,65.73) 110.5,65.73 110.5,1.27 cw(c109.23,1.27) 109.23,0 67,0 ccw(c65.879,0) 65.879,1.121 60.121,1.121 ccw(c60.121,0) 59,0 1.27,0 cw(c1.27,1.27)
GND on GND "NONET_L01_P-001" (solid, remove dead copper, shelved, pour order 0): 0,1.27 0,65.73 cw(c1.27,65.73) 1.27,67 39.73,67 cw(c39.73,65.73) 41,65.73 41,52.52 ccw(c42.27,52.52) 42.27,51.25 47.73,51.25 ccw(c47.73,52.52) 49,52.52 49,52.98 ccw(c47.73,52.98) 47.73,54.25 45.77,54.25 cw(c45.77,55.52) 44.5,55.52 44.5,65.73 cw(c45.77,65.73) 45.77,67 64.43,67 cw(c64.43,65.73) 65.7,65.73 65.7,55.52 cw(c64.43,55.52) 64.43,54.25 62.47,54.25 ccw(c62.47,52.98) 61.2,52.98 61.2,52.52 ccw(c62.47,52.52) 62.47,51.25 67.43,51.25 ccw(c67.43,52.52) 68.7,52.52 68.7,65.73 cw(c69.97,65.73) 69.97,67 108,67 109.23,67 cw(c109.23,65.73) 110.5,65.73 110.5,1.27 cw(c109.23,1.27) 109.23,0 67,0 ccw(c65.879,0) 65.879,1.121 60.121,1.121 ccw(c60.121,0) 59,0 1.27,0 cw(c1.27,1.27)